# Altium PCB PCB-MB202-00.PcbDoc (part 7 of 7)
Units mm, origin at the board's own origin, x right, y up, seen from the top; angles counter-clockwise.
Board outline 300.6 x 146 mm, 2 copper layers (Top Layer, Bottom Layer); 493 components, 371 nets, 1609 pads, 6249 vias.
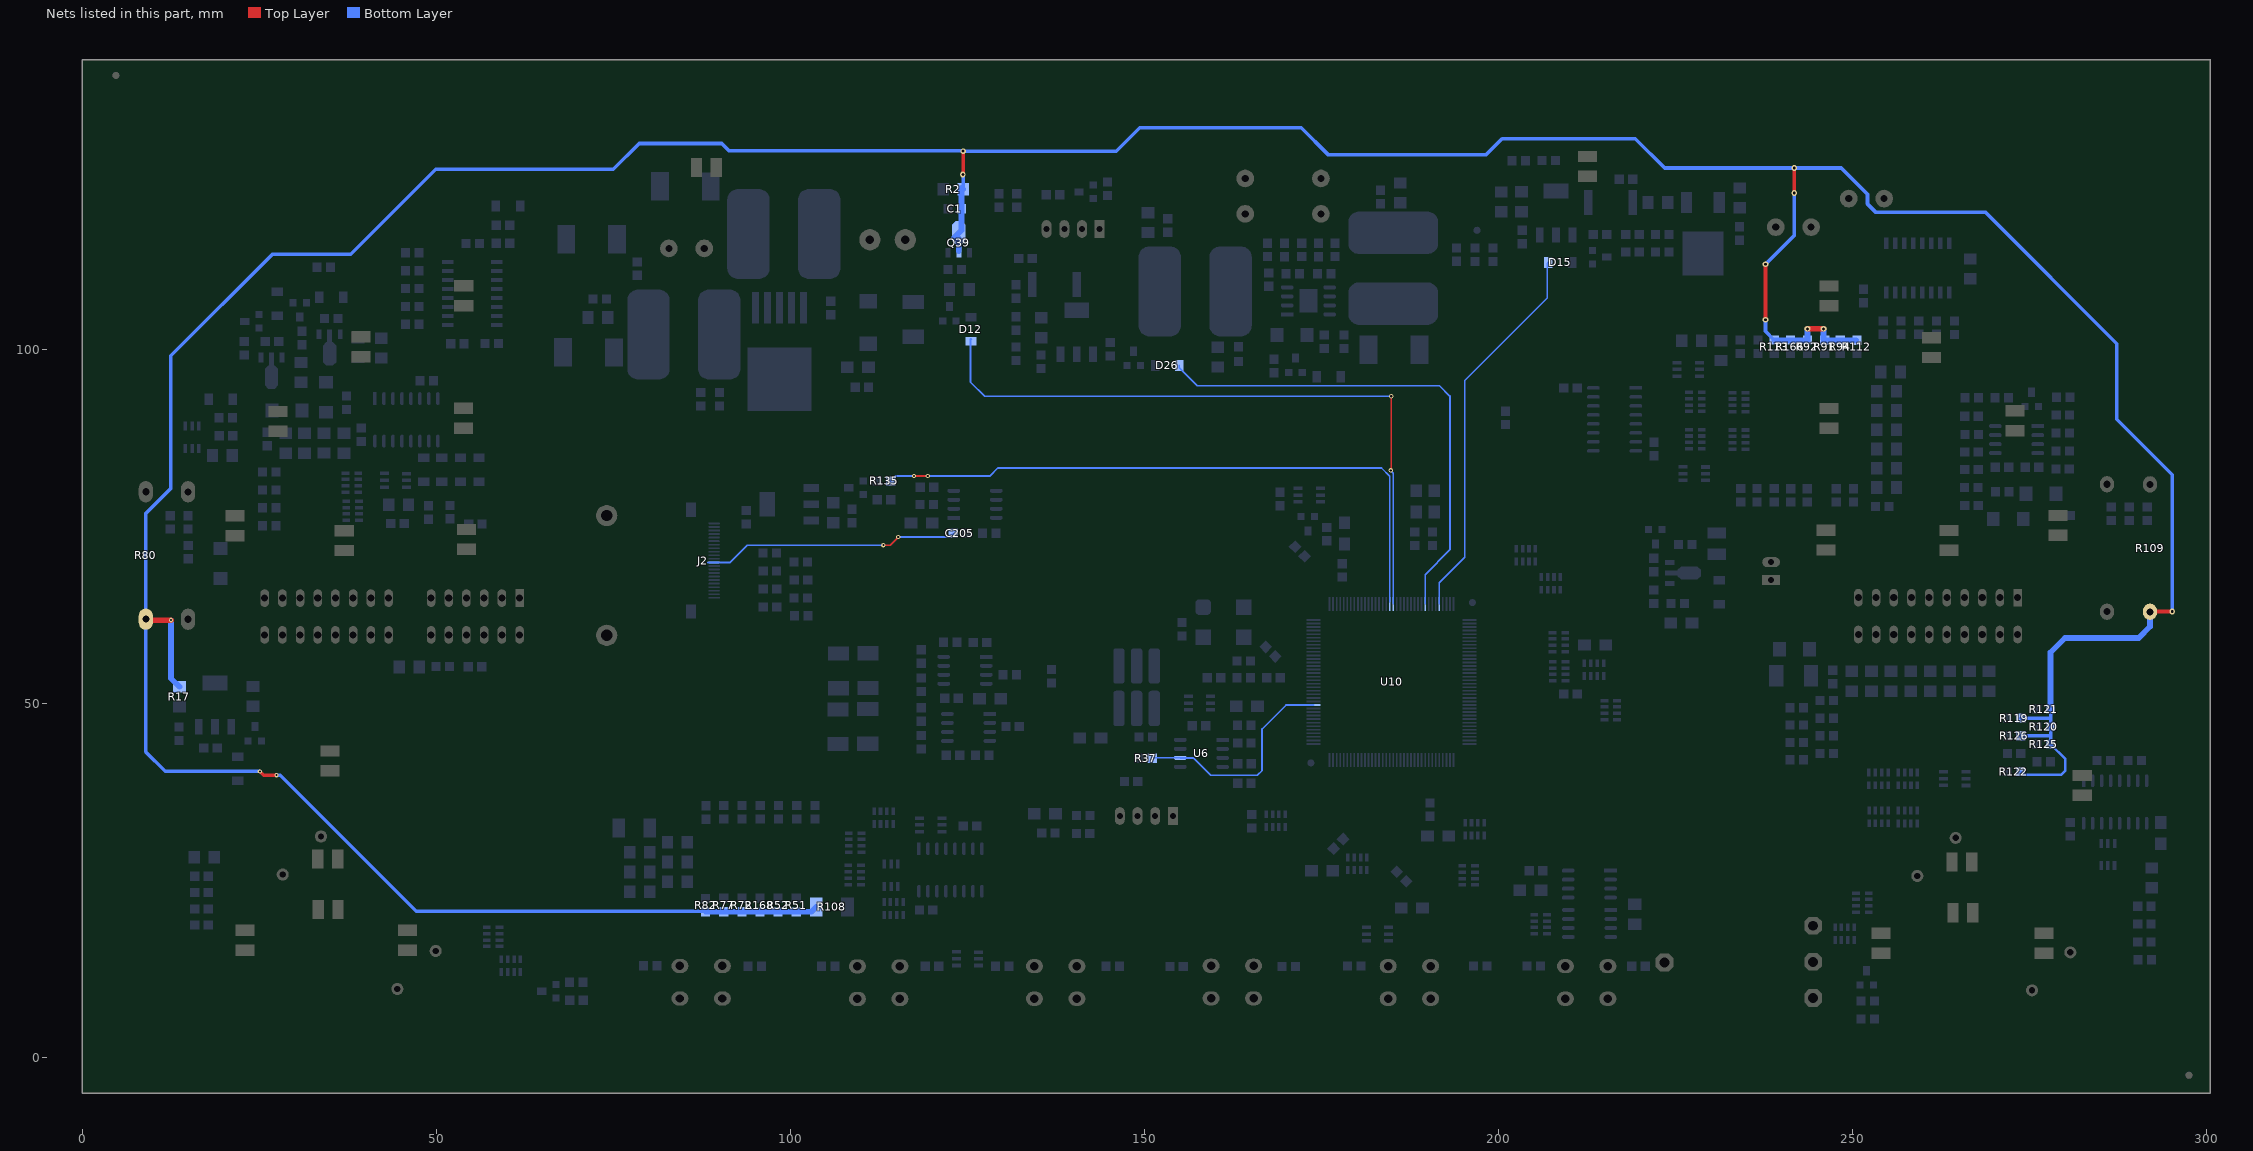
[diagram p7: the nets of this part, all layers, seen from the top]

## Via types
v1: diameter 0.6, hole 0.3, Top Layer to Bottom Layer, 5795 vias
v2: diameter 0.8, hole 0.4, Top Layer to Bottom Layer, 342 vias
v3: diameter 0.6, hole 0.4, Top Layer to Bottom Layer, 92 vias
v4: diameter 0.6, hole 0.3, Top Layer to Bottom Layer, tented both sides, 20 vias

## Nets (pads, with @x,y where several pads share a name; then routed paths per layer and width w, separated by ;. In a path a pad name is that pad's centre, name@x,y a point inside that pad or via, vN(x,y) a via of type N, cw(c..) or ccw(c..) an arc to the next point about the centre after c; other vN are vias at no path point) (continued)
V1: C1.1 Q39.2 R2.2 R17.2 R51.2 R52.2 R72.2 R77.2 R80.2 R82.2 R91.2 R92.2 R94.2 R108.2 R109.2 R112.2 R113.2 R119.2 R120.2 R121.2 R122.2 R125.2 R126.2 R166.2 R168.2 | length 631.6
  Top Layer w0.5: v1(25.108,40.462) 25.642,39.929 v1(27.47,39.929) ; v2@124.436,124.804 v2(124.436,128.067) ; v2(237.757,104.242) v2(237.757,112.09) ; v2(241.805,122.149) 241.805,125.663 v2(241.821,125.679) ; R109.2@292.062,63.001 292.104,63.043 v2(295.212,63.043)
  Top Layer w0.8: R80.2@9.005,61.959 9.14,61.824 v1(12.561,61.824) ; v2(243.685,102.956) v2(245.946,102.956)
  Bottom Layer w0.35: R122.2@273.769,40.437 274.226,39.98 279.515,39.98 280.099,40.564 280.099,42.21 R125.2@278.011,44.298
  Bottom Layer w0.5: v1(25.108,40.462) 11.748,40.462 9.005,43.205 R80.2@9.005,61.959 9.005,76.886 12.535,80.416 12.535,99.162 26.886,113.513 37.961,113.513 49.959,125.511 75.037,125.511 78.669,129.143 90.326,129.143 91.364,128.105 124.398,128.105 v2(124.436,128.067) ; v1(27.47,39.929) 27.978,39.929 47.181,20.726 87.958,20.726 R82.2@88.069,20.616 ; R2.2@124.436,122.666 v2@124.436,124.752 ; v2@124.436,128.041 146.038,128.041 149.365,131.369 172.174,131.369 175.959,127.584 198.311,127.584 200.546,129.819 219.367,129.819 223.508,125.679 248.45,125.679 252.159,121.971 252.159,120.599 253.353,119.405 268.847,119.405 287.389,100.863 287.389,90.195 295.212,82.372 v2(295.212,63.043) ; v2(237.757,104.242) 237.757,102.6 R113.2@238.986,101.371 ; v2(237.757,112.09) 241.805,116.138 v2(241.805,122.149) ; R126.2@273.82,45.491 277.935,45.491 ; R119.2@273.82,47.955 273.845,47.981 278.011,47.981 ; R125.2@278.011,44.298 R120.2@278.011,46.787 278.011,47.981 ; R121.2@278.011,49.225 278.011,47.981
  Bottom Layer w0.8: v1(12.561,61.824) 12.561,53.6 R17.2@13.754,52.406 ; R82.2@88.069,20.616 95.743,20.616 R51.2@100.839,20.616 ; R51.2@100.859,20.636 103.015,20.636 R108.2@103.69,21.311 ; Q39.2@123.836,113.961 123.836,115.773 123.088,115.773 124.206,116.891 C1.1@124.206,119.916 124.206,122.896 R2.2@124.436,122.666 ; R113.2@238.986,101.371 R166.2@241.272,101.371 R92.2@243.685,101.371 v2(243.685,102.956) ; v2(245.946,102.956) 245.946,101.534 R91.2@246.109,101.371 ; R91.2@245.971,101.371 R91.2@246.109,101.371 ; R91.2@246.114,101.366 R91.2@246.109,101.371 ; R112.2@250.543,101.371 R91.2@246.109,101.371 ; R121.2@278.011,49.225 278.011,57.272 280.048,59.309 290.462,59.309 292.062,60.909 R109.2@292.062,63.001 R109.2@291.69,63.001
  other v2: 124.397,124.765
V-5V: R135.1 U10.90 | length 90.1
  Top Layer w0.25: v1(117.488,82.169) v1(119.444,82.169)
  Bottom Layer w0.25: R135.1@114.542,81.813 R135.1@114.211,81.483 114.897,82.169 v1(117.488,82.169) ; v1(119.444,82.169) 128.185,82.169 129.328,83.312 130.874,83.312 ; 130.747,83.312 130.874,83.312 ; U10.90@184.687,64.364 184.687,82.142 183.517,83.312 130.874,83.312
V-POW: D12.1 U10.91 | length 97.3
  Top Layer w0.25: v1(184.823,82.982) 184.9,82.982 v1(184.9,93.447)
  Bottom Layer w0.25: D12.1@125.611,101.501 125.533,101.578 125.464,101.549 125.464,95.453 ; 126.327,94.59 125.464,95.453 ; v1(184.823,82.982) 184.823,82.942 185.187,82.578 185.187,80.772 U10.91@185.187,64.093 ; v1(184.9,93.447) 127.47,93.447 125.464,95.453
V-POW1: D26.1 U10.100 | length 71
  Bottom Layer w0.25: D26.1@154.949,97.79 154.949,97.463 157.478,94.934 191.718,94.934 193.18,93.472 193.18,71.755 189.687,68.262 U10.100@189.687,64.093
V-POW2: D15.1 U10.104 | length 54.6
  Bottom Layer w0.25: U10.104@191.687,64.093 191.687,67.112 195.274,70.699 195.274,95.667 206.921,107.315 206.921,112.188 D15.1@207.077,112.344
WDI: R37.1 U6.6 U10.48 | length 31.4
  Bottom Layer w0.2: R37.1@151.143,42.316 151.188,42.361 U6.6@155.097,42.361
  Bottom Layer w0.25: U6.6@155.097,42.361 156.934,42.361 159.392,39.903 165.977,39.903 166.662,40.589 166.662,46.454 170.052,49.843 U10.48@173.937,49.843
YIN1: C205.2 J2.11 | length 36.8
  Top Layer w0.25: v1(113.17,72.415) 114.135,72.415 v1(115.278,73.558)
  Bottom Layer w0.25: 88.382,69.983 91.535,69.983 93.968,72.415 112.383,72.415 ; 112.611,72.415 112.383,72.415 ; v1(113.17,72.415) 112.383,72.415 ; v1(115.278,73.558) 122.497,73.558 C205.2@123.03,74.092 ; C205.2@122.929,73.99 C205.2@123.03,74.092 ; C205.2@123.03,73.985 C205.2@123.03,74.092
pads on no net: BT1.3 BT1.4 DZ4.5 DZ5.5 DZ6.5 DZ7.5 DZ8.5 DZ9.5 DZ9.6 DZ10.5 DZ11.5 DZ11.6 DZ12.1 DZ12.5 DZ13.5 DZ14.5 DZ15.5 DZ15.6 J1.2 J1.3 J2.13 J2.15 J2.17 JA1.1 JA1.2 JA1.15 JA1.17 RP2.8 RP3.1 RP4.5 RP22.4 RP22.5 RP24.1 TP1.1 TP2.1 TP3.1 TP4.1 U5.1 U5.2 U6.5 U10.59 U13.1 U14.9 U20.4 U21.2 U21.3 U21.6 U21.7 U22.9

## Polygon pours and split planes (outlines as drawn)
GND on Top Layer "Top Layer-No Net" (solid, remove dead copper, pour order 1000): 0,0 0,65.937 -0.001,65.938 -0.001,67.005 -0.001,126.833 5.703,132.537 9.165,136 182.055,136 289.996,136 294.12,131.877 300.698,125.298 300.698,0.025 0.025,0.025 0,0
GND on Bottom Layer "Top Layer-No Net" (solid, remove dead copper, pour order 1001): 0,0 -0.001,0.001 -0.001,42.621 -0.001,128.611 5.042,133.655 7.387,136 184.544,136 285.882,136 289.446,132.436 300.571,121.31 300.571,-0.025 0.024,-0.025 -0.001,0
V on Bottom Layer "Top Layer-No Net" (solid, pour order 1003): 74.537,95.352 82.563,95.352 82.588,95.352 83.35,96.114 83.477,96.241 83.477,100.711 83.477,108.306 82.715,109.068 82.284,109.499 78.575,109.499 74.333,109.499 74.105,109.271 73.438,108.604 73.438,101.371 73.438,95.739 73.775,95.402 73.825,95.352 74.537,95.352
+5V on Bottom Layer "Top Layer-No Net" (solid, pour order 1002): 99.759,102.743 100.648,102.743 100.8,102.743 100.851,102.794 100.876,102.819 100.876,103.378 100.876,108.636 101.207,108.966 101.689,109.449 103.239,109.449 111.57,109.449 111.722,109.601 113.449,111.328 113.449,115.519 113.449,121.971 112.687,122.733 112.179,123.241 105.194,123.241 101.41,123.241 100.673,122.504 99.429,121.26 99.429,104.648 99.429,102.895 99.581,102.743 99.81,102.743
NetDW1_2 on Bottom Layer "Top Layer-No Net" (solid, pour order 1001): 96.355,102.743 97.193,102.743 97.27,102.743 97.397,102.868 97.397,104.195 97.397,123.618 96.508,124.494 95.898,125.095 89.548,125.095 87.516,125.095 87.237,124.82 87.135,124.72 87.135,122.317 87.135,119.939 87.541,119.538 87.618,119.463 89.091,119.463 90.361,119.463 90.462,119.363 90.767,119.063 90.767,117.386 90.767,110.052 91.224,109.601 91.504,109.326 93.18,109.326 95.415,109.326 95.847,108.9 96.101,108.65 96.101,104.52 96.101,102.843 96.177,102.768 96.203,102.743 96.355,102.743
+B1 on Bottom Layer "Top Layer-No Net" (solid, pour order 1000): 87.364,95.555 90.767,95.555 92.317,95.555 93.155,96.393 93.206,96.444 93.206,98.273 93.206,102.108 93.358,102.26 93.815,102.718 94.577,102.718 95.644,102.718 95.695,102.768 95.695,103.302 95.695,108.204 95.339,108.56 95.161,108.737 91.428,108.737 91.199,108.737 90.437,109.499 90.005,109.931 90.005,112.725 90.005,115.799 89.294,116.51 89.269,116.484 87.059,116.484 86.449,116.484 85.814,115.849 85.814,113.817 85.814,96.342 86.398,95.758 86.602,95.555 87.364,95.555
+12V on Bottom Layer "Top Layer-No Net" (solid, pour order 1002): 171.209,114.605 171.209,118.694 171.209,119.99 171.869,120.65 171.895,120.675 188.303,120.675 190.945,120.675 191.91,119.71 191.935,119.685 191.935,113.411 191.935,113.386 191.529,112.979 190.97,112.42 186.678,112.42 179.362,112.42 179.058,112.725 178.245,113.538 178.245,114.021 178.245,116.713 178.194,116.764 178.118,116.84 176.899,116.84 175.654,116.84 175.603,116.789 174.994,116.18 174.994,115.697 174.994,114.452 174.968,114.427 171.742,114.427 171.26,114.427 171.209,114.478 171.209,115.799
NetC102_2 on Bottom Layer "Top Layer-No Net" (solid, pour order 1000): 171.107,105.207 171.107,105.41 171.006,105.512 170.904,105.613 170.269,105.613 167.272,105.613 166.764,106.121 166.027,106.858 166.027,110.744 166.027,114.656 165.672,115.011 165.443,115.24 160.973,115.24 159.246,115.24 158.611,114.605 158.484,114.478 158.484,113.538 158.484,101.676 158.687,101.473 159.347,100.813 160.668,100.813 170.422,100.813 170.904,101.295 171.107,101.498 171.107,105.41
GND on Bottom Layer "Bottom Layer-No Net" (solid, remove dead copper, pour order 36): 177.662,52.793 182.197,52.793 182.197,49.023 177.694,49.023 177.662,49.052 177.662,52.793
GND on Bottom Layer "Bottom Layer-No Net" (solid, remove dead copper, pour order 40): 175.378,56.825 177.345,56.825 177.421,56.825 177.421,51.974 178.894,51.974 178.894,50.856 178.869,50.831 177.421,50.831 177.421,49.18 175.378,49.18 175.378,56.825
GND on Bottom Layer "Bottom Layer-No Net" (solid, remove dead copper, pour order 38): 175.314,57.086 177.662,57.086 177.662,51.625 179.16,51.625 179.16,62.598 175.427,62.598 175.314,62.485 175.314,57.086
GND on Bottom Layer "Bottom Layer-No Net" (solid, remove dead copper, pour order 37): 175.286,48.461 178.879,48.461 178.879,50.01 180.149,50.01 180.149,48.461 194.5,48.461 194.5,44.426 193.631,43.557 175.35,43.557 175.35,48.397 175.286,48.461
GND on Bottom Layer "Bottom Layer-No Net" (solid, remove dead copper, pour order 41): 194.449,52.778 194.449,49.045 181.597,49.045 181.622,49.07 181.622,50.797 180.124,50.797 180.124,51.864 181.622,51.864 181.622,52.778 194.449,52.778
GND on Bottom Layer "Bottom Layer-No Net" (solid, remove dead copper, pour order 39): 179.408,51.598 179.408,62.596 194.419,62.596 194.419,53.122 181.186,53.122 181.186,51.598 179.408,51.598
+B on Bottom Layer "Top Layer-No Net" (solid, pour order 1000): 58.966,66.777 60.16,66.777 60.236,66.777 60.541,66.472 60.694,66.319 60.694,63.627 60.694,58.445 60.922,58.217 61.075,58.064 62.878,58.064 64.148,58.064 68.212,62.128 68.288,62.205 74.511,62.205 75.4,62.205 76.518,61.087 76.823,60.782 76.823,57.429 76.823,57.277 76.391,56.845 76.061,56.515 74.46,56.515 69.304,56.515 68.39,55.601 66.536,53.746 63.462,53.746 59.144,53.746 58.839,54.051 58.433,54.458 58.433,59.258 58.433,66.294 58.484,66.345 58.916,66.777 58.966,66.777
NetC19_1 on Bottom Layer "Top Layer-No Net" (solid, pour order 1000): 175.425,105.639 177.28,105.639 177.94,105.639 178.092,105.791 178.245,105.943 178.245,107.01 178.245,109.169 178.677,109.601 178.778,109.703 180.836,109.703 191.224,109.703 191.554,109.372 191.808,109.118 191.808,107.925 191.808,103.962 191.148,103.302 191.046,103.2 184.671,103.2 183.909,103.2 183.68,102.972 183.376,102.667 183.376,101.168 183.376,97.739 183.198,97.561 183.172,97.536 181.242,97.536 180.251,97.536 179.997,97.79 179.997,99.187 179.997,100.94 179.845,101.092 179.667,101.27 178.956,101.27 177.61,101.27 177.407,101.473 177.407,102.438 177.407,104.089 177.305,104.191 177.153,104.343 176.899,104.343 175.375,104.343 175.273,104.445 175.075,104.643 175.075,104.826 175.075,105.364 175.248,105.537 175.349,105.639 175.425,105.639

## Keep-outs
Keep-Out Layer:
  circle w0.127: c57.004,33.913 r2.2
  circle w0.127: c243.004,33.913 r1.7
  circle w0.05: c11,0 r0.025
  circle w0.05: c273.999,0 r0.025
  circle w0.05: c254.547,0 r0.025
  circle w0.1: c60.75,2 r1.25
  circle w0.1: c5.25,50.05 r0.9
  circle w0.1: c9.55,94.75 r1.4
  circle w0.1: c73.55,129 r1.25
  circle w0.1: c146.7,2 r1.25
  circle w0.1: c153.2,128.8 r1.25
  circle w0.1: c239.2,2 r1.25
  circle w0.1: c295.35,50.05 r0.9
  circle w0.1: c290.55,94.6 r1.4
  circle w0.1: c239.3,128.8 r1.25
  circle w0.1: c239.2,2 r1.4
  circle w0.1: c146.7,2 r1.4
  circle w0.1: c60.75,2 r1.4
  circle w0.1: c239.3,128.8 r1.4
  circle w0.1: c153.2,128.8 r1.4
  circle w0.1: c73.55,129 r1.4
  circle w0.1: c134.75,2 r1.55
  circle w0.1: c9.55,94.75 r1.55
  circle w0.1: c290.55,94.6 r1.55
  circle w0.1: c6.55,56.65 r1.7
  circle w0.1: c118.55,130.65 r1.7
  circle w0.1: c181.65,130.65 r1.7
  circle w0.1: c293.45,56.45 r1.7
  lines w0.1: -0.076,140.995 300.584,140.995 ; 0,11 ccw(c11,11) 11,0 ; 0,65.405 0,136 ; 0,141 0,136 ; 28.1,4.05 38.3,4.05 ; 39.8,0 113.05,0 ; 102.45,131.4 112.65,131.4 ; 187.7,131.4 197.9,131.4 ; 262.7,4.05 272.9,4.05 ; 289.6,0 ccw(c289.6,11) 300.6,11 ; 300.6,67.7 ccw(c235.6,67.7) 244.092,132.143 ccw(c185.3,-314) 242.104,132.4 ccw(c238.317,102.64) 240.41,132.567 199.65,135.418 199.65,132.9 cw(c198.15,132.9) 198.15,131.4 187.95,131.4 cw(c187.95,132.9) 186.45,132.9 186.45,135.999 ccw(c185.3,-314) 185.3,136 115.3,136 ccw(c115.3,-314) 114.4,135.999 114.4,132.9 cw(c112.9,132.9) 112.9,131.4 102.7,131.4 cw(c102.7,132.9) 101.2,132.9 101.2,135.435 60.19,132.567 ccw(c62.283,102.64) 58.496,132.4 ccw(c115.3,-314) 56.508,132.143 ccw(c65,67.7) 0,67.7 0,0 ; 300.6,135.839 300.6,140.995 ; 0,0 26.2,0 26.2,2.55 cw(c27.7,2.55) 27.7,4.05 37.9,4.05 cw(c37.9,2.55) 39.4,2.55 39.4,0 178.35,0 178.35,2.55 cw(c179.85,2.55) 179.85,4.05 190.05,4.05 cw(c190.05,2.55) 191.55,2.55 191.55,0 260.8,0 260.8,2.55 cw(c262.3,2.55) 262.3,4.05 272.5,4.05 cw(c272.5,2.55) 274,2.55 274,0 300.6,0 ; 0,0 0,-5 300.6,-5 300.6,0 ; 0,136 300.6,136 300.6,0
  lines w0.254: 50.989,27.853 50.989,39.863 ; 51.004,27.863 63.004,27.863 ; 51.004,39.863 63.004,39.863 ; 63.019,27.903 63.019,39.853 ; 80.059,61.123 80.059,79.033 ; 80.059,78.933 cw(c81.059,78.933) 82.059,78.933 ; 80.069,61.103 ccw(c81.07,61.092) 82.071,61.092 ; 82.059,79.033 82.079,61.033 ; 236.974,27.868 236.974,39.863 248.974,39.863 248.974,27.863 236.979,27.863 236.974,27.868

## Other copper
Bottom Layer:
  rectangle net NetQ8_2: 137.452,101.498 143.498,107.544
  rectangle net NetL21_1: 95.619,75.057 100.572,81.356
  rectangle net +5V-VT: 88.481,74.371 90.056,75.565
  pour cut-out: 191.91,113.792 191.91,108.255 178.499,108.255 178.194,108.56 178.194,112.903 178.296,112.903 178.219,113.386 178.219,113.868 191.783,113.868 191.859,113.792
  pour cut-out: 154.293,115.265 159.83,115.265 159.83,101.854 159.525,101.549 155.182,101.549 155.182,101.651 154.216,101.651 154.216,115.138 154.293,115.214
  pour cut-out: 107.684,105.766 114.237,105.766 114.286,105.74 114.286,102.032 107.76,102.032 107.684,102.108
  pour cut-out: 81.699,108.458 87.11,108.458 87.414,108.153 87.414,95.809 81.826,95.809 81.623,96.012 81.623,108.331 81.699,108.407
  pour cut-out: 95.822,122.961 101.232,122.961 101.537,122.657 101.537,110.312 95.949,110.312 95.746,110.515 95.746,122.834 95.822,122.911
  region net V1: 122.502,115.217 122.375,115.344 122.375,118.512 122.629,118.766 125.938,118.766 126.312,118.392 126.312,115.852 125.677,115.217
  pour cut-out: 255.985,35.445 255.985,33.095 259.689,33.095 259.689,35.445
  pour cut-out: 251.865,35.55 251.865,33.075 255.569,33.075 255.569,35.55
  pour cut-out: 256.003,41.108 256.003,38.758 259.707,38.758 259.707,41.108
  pour cut-out: 251.863,41.108 251.863,38.758 255.567,38.758 255.567,41.108

## Silkscreen, mask and mechanical layers (free items; w line width, h text height)
Top Overlay:
  drawing of 214 lines, arcs and shapes, not listed
  text "TOP" at 136.661,138.181 h0.8
Bottom Overlay:
  circle w0.2: c270.382,20.345 r15
  circle w0.1: c84.77,50.47 r3
  circle w0.1: c36.649,50.698 r3
  circle w0.1: c223.035,55.524 r3
  circle w0.1: c283.588,55.778 r3
  circle w0.127: c56.974,33.863 r3
  circle w0.127: c242.974,33.863 r3
  lines w0.1: 82.549,6.376 82.549,15.041 92.549,15.041 92.549,6.376 82.549,6.376 ; 107.549,6.376 107.549,15.041 117.549,15.041 117.549,6.376 107.549,6.376 ; 132.549,6.376 142.549,6.376 142.549,15.041 132.549,15.041 132.549,6.376 ; 157.549,6.376 167.549,6.376 167.549,15.041 157.549,15.041 157.549,6.376 ; 182.549,6.376 192.549,6.376 192.549,15.041 182.549,15.041 182.549,6.376 ; 207.549,6.376 217.549,6.376 217.549,15.041 207.549,15.041 207.549,6.376
  lines w0.2: 142.968,138.511 159.605,138.511 ; 158.589,139.552 159.529,138.613 ; 158.691,137.622 159.58,138.511
  lines w0.5: 2.927,129.205 2.927,131.415 ; 2.937,129.195 31.017,129.195 31.047,129.165 31.047,126.425 31.057,126.415 31.157,126.415 34.807,130.065 34.807,130.195 31.047,133.955 31.047,131.485 31.027,131.465 3.037,131.465 ; 264.42,131.125 264.42,128.845 264.41,128.835 292.54,128.835 292.56,128.815 292.56,126.125 296.26,129.825 296.26,129.975 292.56,133.675 292.56,131.195 292.51,131.145 264.42,131.145
  text "BOT" at 138.693,139.019 h0.8 r180
  text "12V" at 167.501,93.294 h1.8
  text "12V-1" at 142.355,92.939 h1.8
  text "+5V" at 146.607,61.273 h1 r90
  text "GND" at 151.437,61.143 h1 r90
  text "RST" at 149.137,61.073 h1 r90
  text "BKGD" at 153.734,49.784 h1 r90
  text "GND" at 155.283,26.822 h1.52 r90
  text "+5V" at 147.333,26.746 h1.52 r90
  text "RXDO" at 152.642,25.578 h1.52 r90
  text "TXDO" at 150.025,25.502 h1.52 r90
Top Solder:
  rectangle: 68.822,47.879 74.054,53.035
  rectangle: 63.081,48.006 66.409,56.54
  rectangle: 72.759,48.082 76.543,56.591
  rectangle: 65.672,54.813 73.19,56.617
Mechanical 3:
  drawing of 233 lines, arcs and shapes, not listed

## Text inside footprints (layer, text, board x,y; h text height)
JA1: Bottom Overlay "1" at 65.704,71.777 h1; Bottom Overlay "2" at 66.534,57.627 h1; Bottom Overlay "28" at 22.094,56.847 h1; Bottom Overlay "27" at 22.274,71.927 h1
JB1: Bottom Overlay "20" at 247.079,58.242 h1; Bottom Overlay "2" at 273.318,55.228 h1; Bottom Overlay "19" at 250.889,74.143 h1; Bottom Overlay "1" at 273.368,74.319 h1
Q14: Bottom Overlay "1" at 32.548,102.499 h0.5 r180
Q17: Bottom Overlay "1" at 24.336,99.205 h0.5 r180
Q25: Bottom Overlay "1" at 223.929,66.063 h0.5 r270
Q39: Bottom Overlay "1" at 126.243,113.446 h0.5